# Altium PCB PROC054D_MMWCAS_RF_EVM_ASCII.PcbDoc (part 3 of 13)
Units mil, origin at the board's own origin, x right, y up, seen from the top; angles counter-clockwise.
Board outline 6299.21 x 5370.07 mil, 8 copper layers (L1 TOP, L2 GND, L3 SIGNAL 1, L4 GND, L5 SIGNAL 2, L6 SIGNAL 3, L7 GND, L8 BOTTOM), stack 53.5 mil thick; 775 components, 552 nets, 2648 pads, 7845 vias.
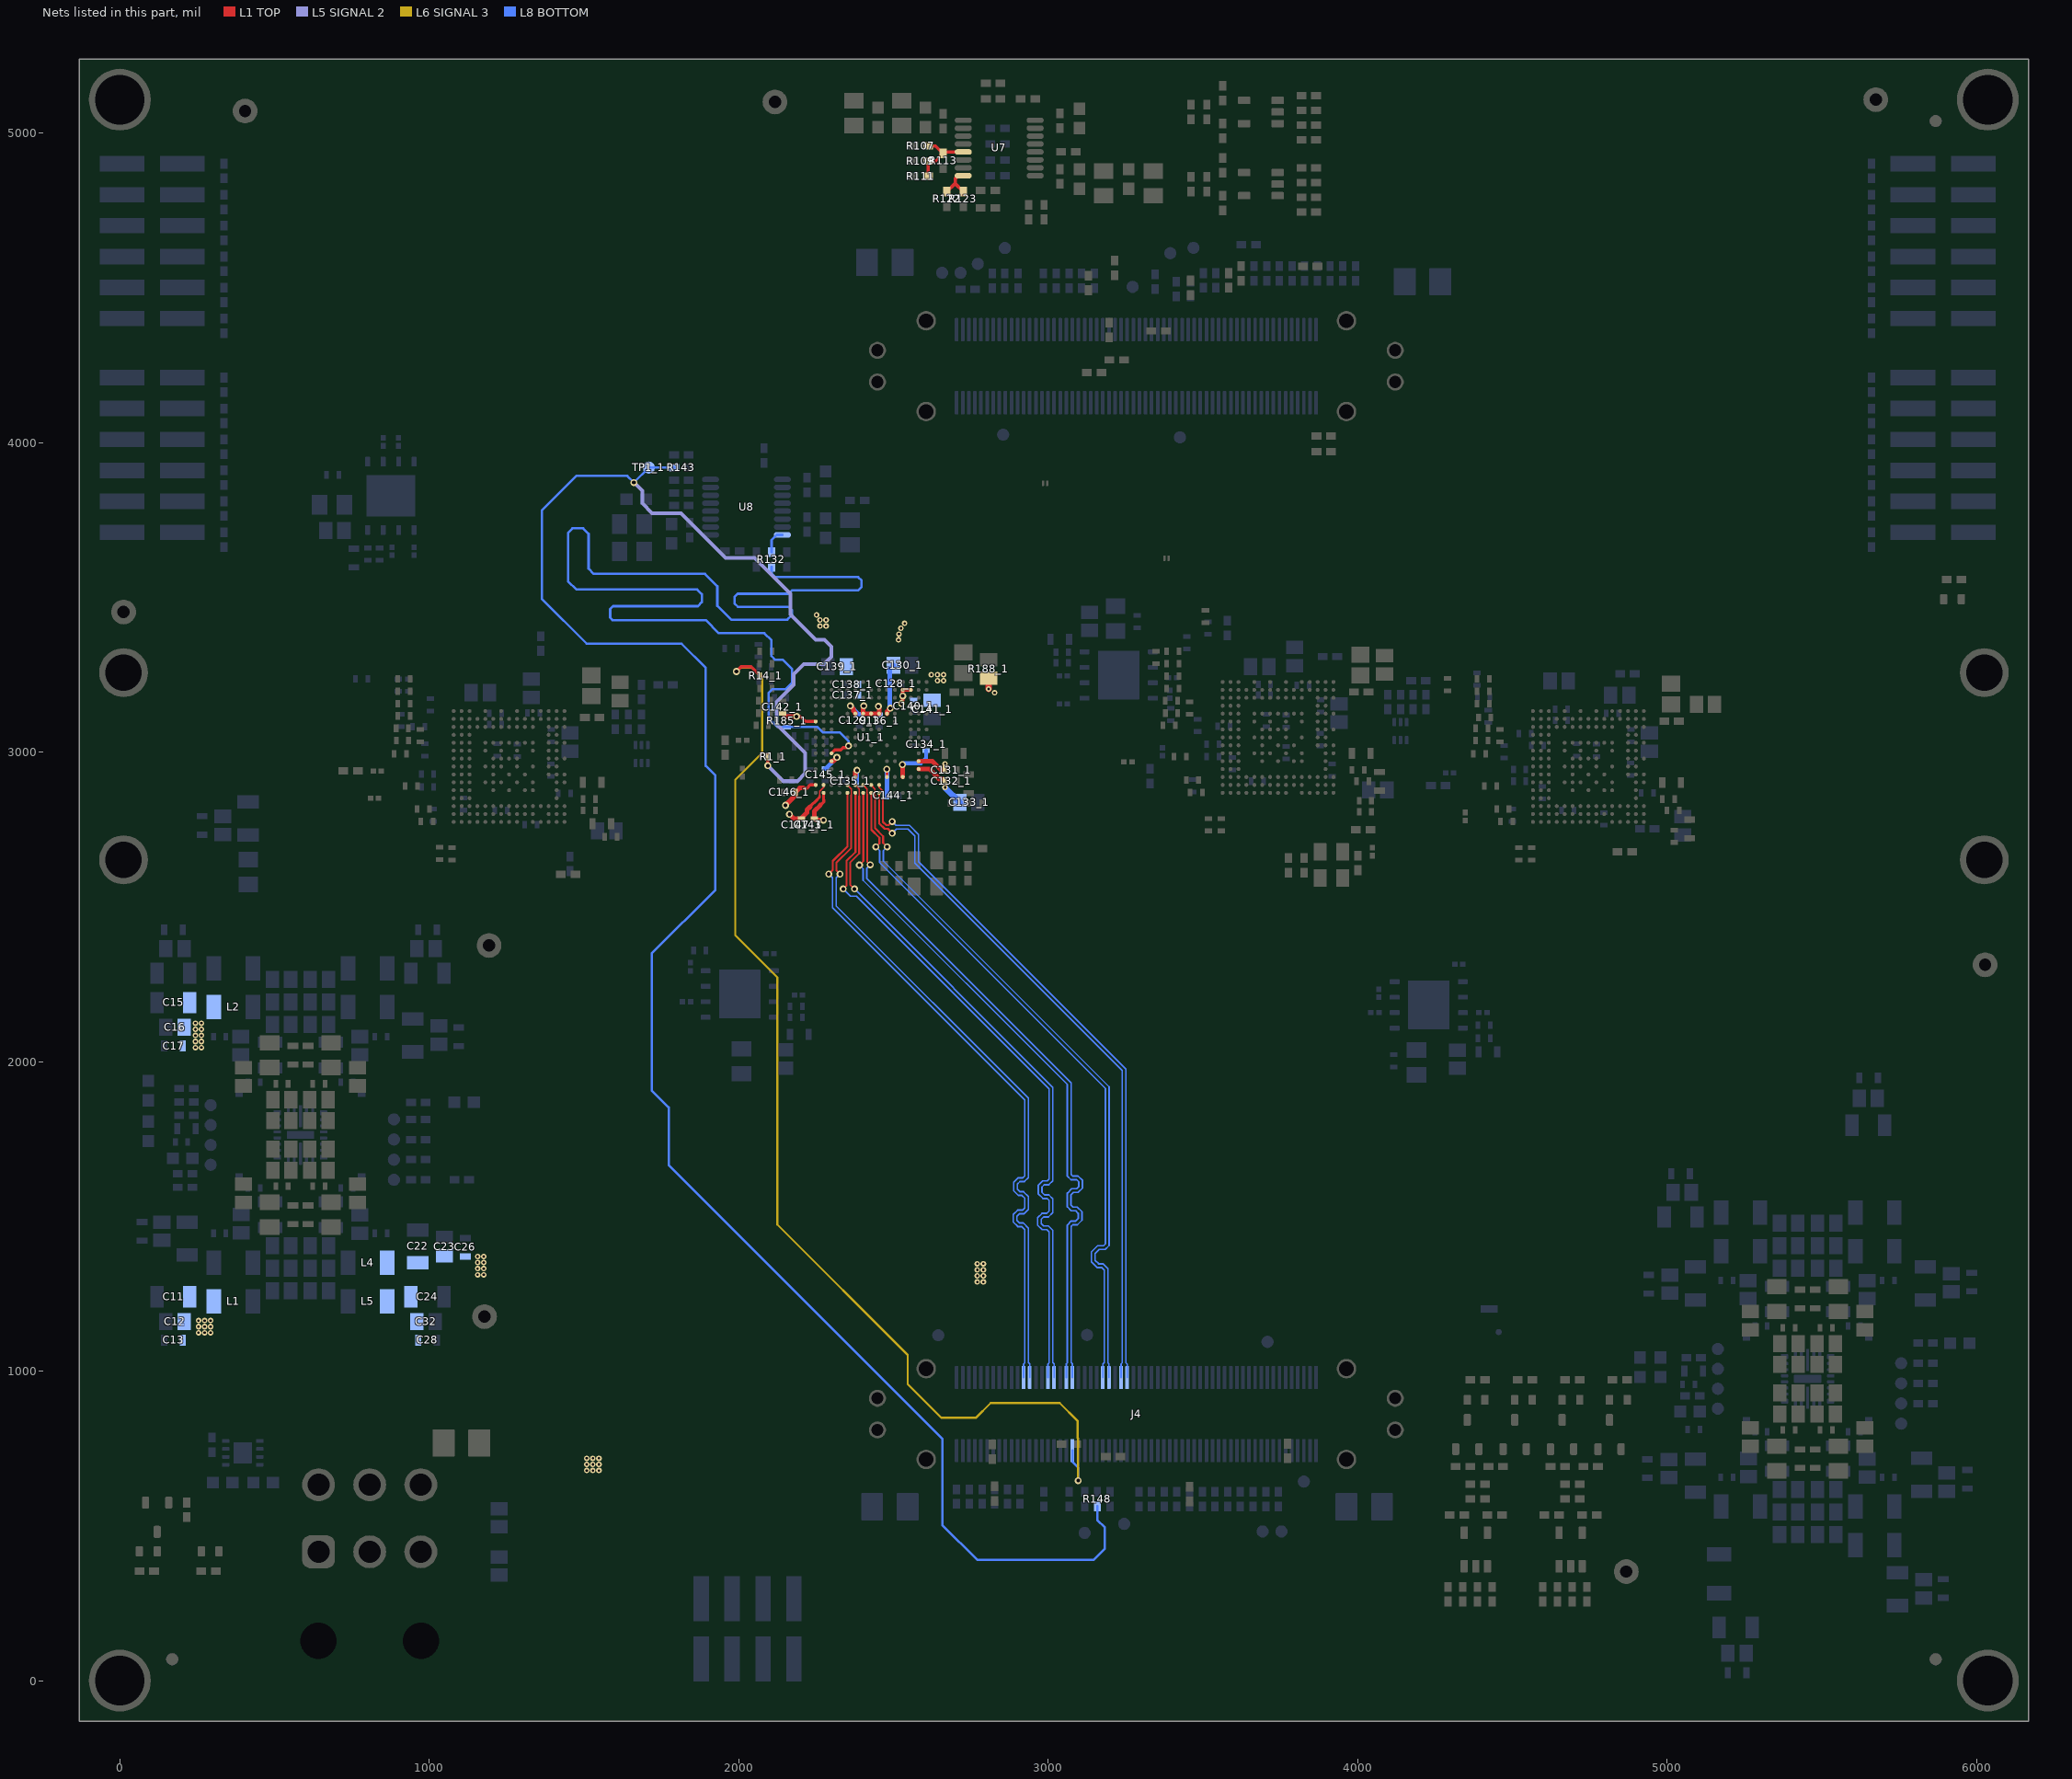
[diagram p9: the nets of this part, all layers, seen from the top]

## Components (designator, comment, footprint, x,y, rotation, side; value= is the part's Value field where it differs from the comment) (continued)
R138 "CRCW040210K0FKED" 0402 1979.32,3649.64 r0 bottom locked
R139 "CRCW040210K0FKED" 0402 1814.76,3878.29 r0 bottom locked
R140 "CH02016-100RGFT" 02016 2990.1,3868.26 r0 top locked
R141 "CRCW040210K0FKED" 0402 1814.76,3796.29 r180 bottom locked
R142 "ERJ-2GE0R00X" 0402 1814.76,3960.29 r0 bottom locked
R143 "ERJ-2GE0R00X" 0402 1814.76,3919.29 r0 bottom locked
R144 "CRCW040210K0FKED" 0402 1814.76,3837.29 r0 bottom locked
R145 "ERJ-2GE0R00X" 0402 3501,4523.72 r270 bottom locked
R146 "ERJ-2GE0R00X" 0402 3542,4523.72 r270 bottom locked
R147 "CRCW040210K0FKED" 0402 3210.28,724 r180 top locked
R148 "CRCW040210K0FKED" 0402 3159,586.8 r90 bottom locked
R149 "CRCW040210K0FKED" 0402 3118,586.8 r90 bottom locked
R150 "CRCW040210K0FKED" 0402 2986,586.8 r270 bottom locked
R151 "CRCW040210K0FKED" 0402 3773.1,741.83 r270 top locked
R152 "CRCW040210K0FKED" 0402 3744,586.8 r90 bottom locked
R153 "CRCW040210K0FKED" 0402 3703,586.8 r90 bottom locked
R154 "CRCW04020000Z0EDHP" 0402S 2095.9,3139.1 r180 bottom locked
R155 "CRCW040210K0FKED" 0402 3356.72,4360.87 r0 top locked
R156 "CRCW04020000Z0EDHP" 0402S 4540.6,3059.85 r180 bottom locked
R157 "CRCW040210K0FKED" 0402 3414,4496.05 r270 bottom locked
R158 "CRCW04020000Z0EDHP" 0402S 3396.01,3122 r270 bottom locked
R159 "CRCW040210K0FKED" 0402 3460,4499.97 r270 top locked
R160 "CRCW04020000Z0EDHP" 0402S 909,3102 r90 bottom locked
R161 "CRCW040210K0FKED" 0402 2740.5,4495.09 r0 bottom locked
R162 "CRCW040210K0FKED" 0402 2819,4522.59 r270 bottom locked
R163 "CRCW040210K0FKED" 0402 2860,4522.59 r270 bottom locked
R164 "CRCW040210R0FKED" 0402 1686.31,3193.83 r270 bottom locked
R165 "ERJ-2GE0R00X" 0402 1600.31,3097.85 r270 bottom locked
R166 "CRCW04025K11FKED" 0402 3846.37,4570.25 r180 top locked
R167 "CRCW04025K11FKED" 0402 3647.62,4640.08 r0 bottom locked
R168 "CRCW04025K11FKED" 0402 3583,4523.63 r270 top locked
R169 "ERJ-2GE0R00X" 0402 3583,4523.63 r270 bottom locked
R170 "ERJ-2GE0R00X" 0402 3624,4546.63 r270 top locked
R171 "ERJ-2GE0R00X" 0402 3870,4546.63 r270 bottom locked
R172 "ERJ-2GE0R00X" 0402 4097.47,3162.21 r270 bottom locked
R173 "CRCW040210R0FKED" 0402 4220.47,3162.21 r270 bottom locked
R174_1 "CRCW040210K0FKED" 0402 3200,586.8 r270 bottom locked (schematic designator R174)
R174_2 "CRCW040210K0FKED" 0402 3662,586.8 r270 bottom locked (schematic designator R174)
R174_3 "CRCW040210K0FKED" 0402 3346,4519.62 r90 bottom locked (schematic designator R174)
R174_4 "CRCW040210K0FKED" 0402 2903,4522.59 r90 bottom locked (schematic designator R174)
R175_1 "CRCW0402100KFKED" 0402 2827.21,594.52 r270 bottom locked (schematic designator R175)
R175_2 "CRCW0402100KFKED" 0402 3457,602.84 r270 top locked (schematic designator R175)
R175_3 "CRCW0402100KFKED" 0402 3747,4546.63 r90 bottom locked (schematic designator R175)
R175_4 "CRCW0402100KFKED" 0402 3130.51,4516.07 r90 top locked (schematic designator R175)
R176_1 "CRCW040210K0FKED" 0402 2827.21,604.52 r270 top locked (schematic designator R176)
R176_2 "CRCW040210K0FKED" 0402 3293,586.8 r270 bottom locked (schematic designator R176)
R176_3 "CRCW040210K0FKED" 0402 3829,4546.63 r90 bottom locked (schematic designator R176)
R176_4 "CRCW040210K0FKED" 0402 3215.4,4563.99 r90 top locked (schematic designator R176)
R177_1 "CRCW040210K0FKED" 0402S 2076.4,3086 r180 top locked (schematic designator R177)
R177_2 "CRCW040210K0FKED" 0402S 4394.4,2995 r180 top locked (schematic designator R177)
R177_3 "CRCW040210K0FKED" 0402S 3391.4,3086 r180 top locked (schematic designator R177)
R177_4 "CRCW040210K0FKED" 0402S 906.4,2995 r180 top locked (schematic designator R177)
R178_1 "CRCW0402100KFKED" 0402 3066.72,764 r0 top locked (schematic designator R178)
R178_2 "CRCW0402100KFKED" 0402 3498,586.8 r270 bottom locked (schematic designator R178)
R178_3 "CRCW0402100KFKED" 0402 3460,4496.05 r90 bottom locked (schematic designator R178)
R178_4 "CRCW0402100KFKED" 0402 3108,4522.59 r90 bottom locked (schematic designator R178)
R179_1 "CRCW0402100KFKED" 0402 3067,586.8 r270 bottom locked (schematic designator R179)
R179_2 "CRCW0402100KFKED" 0402 3457,586.8 r270 bottom locked (schematic designator R179)
R179_3 "CRCW0402100KFKED" 0402 3578.91,3400.96 r90 bottom locked (schematic designator R179)
R179_4 "CRCW0402100KFKED" 0402 3149,4522.59 r90 bottom locked (schematic designator R179)
R180_1 "CRCW04024K70JNED" 0402S 2088,3286 r180 top locked (schematic designator R180)
R180_2 "CRCW04024K70JNED" 0402S 4405.91,3197 r180 top locked (schematic designator R180)
R180_3 "CRCW04024K70JNED" 0402S 3402.91,3286 r180 top locked (schematic designator R180)
R180_4 "CRCW04024K70JNED" 0402S 917.91,3197 r180 top locked (schematic designator R180)
R181_1 "CRCW04024K70JNED" 0402S 2063.84,3328.23 r270 bottom locked (schematic designator R181)
R181_2 "CRCW04024K70JNED" 0402S 4386.19,3236.41 r270 bottom locked (schematic designator R181)
R181_3 "CRCW04024K70JNED" 0402S 3349.08,3306 r270 top locked (schematic designator R181)
R181_4 "CRCW04024K70JNED" 0402S 899.06,3215.9 r270 bottom locked (schematic designator R181)
R182_1 "CRCW0402100KFKED" 0402 2909.21,594.52 r90 bottom locked (schematic designator R182)
R182_2 "CRCW0402100KFKED" 0402 3416,586.8 r90 bottom locked (schematic designator R182)
R182_3 "CRCW0402100KFKED" 0402 3665,4546.63 r270 bottom locked (schematic designator R182)
R182_4 "CRCW0402100KFKED" 0402 3148.67,4226.15 r180 top locked (schematic designator R182)
R183_1 "CRCW0402100KFKED" 0402 2868.21,594.52 r90 bottom locked (schematic designator R183)
R183_2 "CRCW0402100KFKED" 0402 3375,586.8 r90 bottom locked (schematic designator R183)
R183_3 "CRCW0402100KFKED" 0402 3706,4546.63 r270 bottom locked (schematic designator R183)
R183_4 "CRCW0402100KFKED" 0402 3221.67,4267.15 r180 top locked (schematic designator R183)
R184_1 "CRCW040210K0FKED" 0402 2820,739.62 r270 top locked (schematic designator R184)
R184_2 "CRCW040210K0FKED" 0402 3334,586.8 r90 bottom locked (schematic designator R184)
R184_3 "CRCW040210K0FKED" 0402 3788,4546.63 r270 bottom locked (schematic designator R184)
R184_4 "CRCW040210K0FKED" 0402 3196.34,4363.65 r90 top locked (schematic designator R184)
R185_1 "CRCW040210K0FKED" 0402S 2155.9,3101 r270 bottom locked (schematic designator R185)
R185_2 "CRCW040210K0FKED" 0402S 4473.9,3001.05 r270 bottom locked (schematic designator R185)
R185_3 "CRCW040210K0FKED" 0402S 3482.96,3086.54 r270 bottom locked (schematic designator R185)
R185_4 "CRCW040210K0FKED" 0402S 985.9,3007 r270 bottom locked (schematic designator R185)
R186 "ERJ-2GE0R00X" 0402S 2765.21,2834.89 r0 top locked
R187 "ERJ-2GE0R00X" 0402S 4024.71,2807.84 r180 top locked
R188_1 "PMR10EZPJ000" 0805L 2807.55,3268.2 r270 top locked (schematic designator R188)
R188_2 "PMR10EZPJ000" 0805L 5124.3,3154.07 r0 top locked (schematic designator R188)
R188_3 "PMR10EZPJ000" 0805L 4087.03,3282.1 r90 top locked (schematic designator R188)
R188_4 "PMR10EZPJ000" 0805L 1616.77,3195.6 r270 top locked (schematic designator R188)
R189 "MCS0402MD1000BE100" 0402 4339.59,279.21 r90 top locked
R190 "MCS0402MD1000BE100" 0402 4693.44,279.21 r90 top locked
R191 "MCS0402MD1000BE100" 0402 4386.99,279.21 r90 top locked
R192 "ERJ-2GEJ511X" 0402 286.98,353.83 r0 top locked
R193 "ERJ-2GEJ361X" 0402 5927.52,3557.54 r180 top locked
R194 "ERJ-2GEJ511X" 0402 86.98,353.83 r0 top locked
R195 "ERJ-2GEJ511X" 0402 216.13,551.51 r270 top locked
R196 "ERJ-2GEJ511X" 0402 4387.85,971.8 r180 top locked
R197 "ERJ-2GEJ511X" 0402 4694.3,971.8 r180 top locked
R198 "ERJ-2GEJ511X" 0402 4340.61,691.84 r0 top locked
R199 "ERJ-2GEJ511X" 0402 4647.06,691.84 r0 top locked
R200 "ERJ-2GEJ511X" 0402 4847.52,971.8 r180 top locked
R201 "ERJ-2GEJ511X" 0402 4541.07,971.8 r180 top locked
R202 "ERJ-2GEJ511X" 0402 4753.04,691.84 r180 top locked
R203 "ERJ-2GEJ511X" 0402 4446.59,691.84 r180 top locked
R204 "ERJ-2GE0R00X" 0402 3890.62,4020.74 r0 top locked
R205 "ERJ-2GE0R00X" 0402 3890.62,3971.03 r0 top locked
R206 "CRCW040210K0FKED" 0402 4387.85,587.15 r180 top locked
R207 "CRCW040210K0FKED" 0402 4694.3,587.15 r180 top locked
R208 "ERJ-2GE0R00X" 0402 4387.85,634.4 r180 top locked
R209 "ERJ-2GE0R00X" 0402 4694.3,634.4 r180 top locked
R210 "ERJ-2GE0R00X" 0402 3461.75,5068.29 r270 top locked
R211 "ERJ-2GE0R00X" 0402 3461.75,4835.24 r270 top locked
R212 "MCS0402MD1000BE100" 0402 4646.04,279.21 r90 top locked
R213 "ERJ-2GE0R00X" 0402S 2198.59,3052.15 r180 bottom locked
R214 "ERJ-2GE0R00X" 0402S 2198.59,3016.15 r180 bottom locked
TP1_1 "TP_SM_1MM" TP_SM_1MM 1709.4,3919.29 r270 bottom locked (schematic designator TP1)
TP1_2 "TP_SM_1MM" TP_SM_1MM 3754,481.94 r90 bottom locked (schematic designator TP1)
TP1_3 "TP_SM_1MM" TP_SM_1MM 3394.61,4611.81 r270 bottom locked (schematic designator TP1)
TP1_4 "TP_SM_1MM" TP_SM_1MM 2772.45,4577.44 r90 bottom locked (schematic designator TP1)
TP2_1 "TP_SM_1MM" TP_SM_1MM 885.78,1813.25 r90 bottom locked (schematic designator TP2)
TP2_2 "TP_SM_1MM" TP_SM_1MM 3693,481.94 r90 bottom locked (schematic designator TP2)
TP2_3 "TP_SM_1MM" TP_SM_1MM 3469.4,4629.14 r90 bottom locked (schematic designator TP2)
TP2_4 "TP_SM_1MM" TP_SM_1MM 2860,4628.72 r90 bottom locked (schematic designator TP2)
TP3_1 "TP_SM_1MM" TP_SM_1MM 3245.73,506.43 r90 bottom locked (schematic designator TP3)
TP3_2 "TP_SM_1MM" TP_SM_1MM 3826.26,643.17 r90 bottom locked (schematic designator TP3)
TP3_3 "TP_SM_1MM" TP_SM_1MM 3272.86,4503.14 r90 bottom locked (schematic designator TP3)
TP3_4 "TP_SM_1MM" TP_SM_1MM 2716.88,4548.68 r90 bottom locked (schematic designator TP3)
TP4 "TP_SM_1MM" TP_SM_1MM 293.43,1859.32 r0 bottom locked
TP5 "TP_SM_1MM" TP_SM_1MM 3118,477.19 r270 bottom locked
TP6 "TP_SM_1MM" TP_SM_1MM 885.78,1618.2 r180 bottom locked
TP7 "TP_SM_1MM" TP_SM_1MM 293.43,1666.6 r0 bottom locked
TP8 "TP_SM_1MM" TP_SM_1MM 2854.35,4025.61 r90 bottom locked
TP9 "TP_SM_1MM" TP_SM_1MM 885.78,1748.23 r180 bottom locked
TP10 "TP_SM_1MM" TP_SM_1MM 885.78,1683.21 r180 bottom locked
TP11 "TP_SM_1MM" TP_SM_1MM 293.43,1730.84 r0 bottom locked
TP12 "TP_SM_1MM" TP_SM_1MM 3125.61,1116.7 r90 bottom locked
TP13 "TP_SM_1MM" TP_SM_1MM 3425.79,4016.95 r90 bottom locked
TP14 "TP_SM_1MM" TP_SM_1MM 293.43,1795.08 r90 bottom locked
TP15 "TP_SM_1MM" TP_SM_1MM 3709,1094.73 r90 bottom locked
TP16 "5001" Keystone5001 12.11,3452.63 r90 bottom
TP17 "5001" Keystone5001 2117.05,5100.49 r90 bottom
TP18 "5001" Keystone5001 6027.77,2312.91 r90 bottom
TP19 "5001" Keystone5001 1193.1,2375.16 r180 bottom locked
TP20 "5001" Keystone5001 4868.23,352.27 r90 bottom locked
TP21 "TP_SM_1MM" TP_SM_1MM 5164.16,1071.47 r0 bottom locked
TP22 "TP_SM_1MM" TP_SM_1MM 5756.51,1025.4 r180 bottom locked
TP23 "TP_SM_1MM" TP_SM_1MM 5756.51,830.34 r0 bottom locked
TP24 "TP_SM_1MM" TP_SM_1MM 5164.16,878.74 r0 bottom locked
TP25 "5001" Keystone5001 1178.5,1176.1 r90 bottom locked
TP26 "TP_SM_1MM" TP_SM_1MM 5756.51,960.38 r0 bottom locked
TP27 "TP_SM_1MM" TP_SM_1MM 5756.51,895.36 r90 bottom locked
TP28 "TP_SM_1MM" TP_SM_1MM 5164.16,942.99 r180 bottom locked
TP29 "5001" Keystone5001 404.68,5071.3 r90 bottom locked
TP30 "5001" Keystone5001 5674.54,5108 r90 bottom locked
TP31 "TP_SM_1MM" TP_SM_1MM 5164.16,1007.23 r0 bottom locked
TP32 "TP_SM_1MM" TP_SM_1MM 2645.03,1115.91 r90 bottom locked
TP33 "TP_SM_1MM" TP_SM_1MM 2657.29,4548.68 r270 bottom locked
U1_1 "XA2243PBGABL" ABL0161A 2427.89,3047.5 r270 top locked (schematic designator U1)
U1_2 "XA2243PBGABL" ABL0161A 4745.89,2953.5 r270 top locked (schematic designator U1)
U1_3 "XA2243PBGABL" ABL0161A 3742.89,3047.5 r270 top locked (schematic designator U1)
U1_4 "XA2243PBGABL" ABL0161A 1257.89,2953.5 r270 top locked (schematic designator U1)
U2_1 "MX25V1635FZNQ" WSON-8L_6x5MM_EP 2003.3,2218.45 r0 bottom locked (schematic designator U2)
U2_2 "MX25V1635FZNQ" WSON-8L_6x5MM_EP 4229.96,2183.17 r0 bottom locked (schematic designator U2)
U2_3 "MX25V1635FZNQ" WSON-8L_6x5MM_EP 3227.96,3249 r180 bottom locked (schematic designator U2)
U2_4 "MX25V1635FZNQ" WSON-8L_6x5MM_EP 875.89,3828.1 r270 bottom locked (schematic designator U2)
U3 "LP87524PRNFTQ1" RNF0026C 583.54,1762.96 r180 bottom locked
U4 "LP87524PRNFTQ1" RNF0026C 5454.26,975.11 r180 bottom locked
U5 "TPS73733QDRBRQ1" DRB0008A 397.12,735.77 r0 bottom locked
U6 "SN74LVC1G08QDBVRQ1" DBV0005A_N 4381.99,423.71 r90 top locked
U7 "LMK00804BPW" PW0016A_N 2841.71,4951.93 r0 top locked
U8 "LMK00804BPW" PW0016A_N 2025.04,3791.39 r0 bottom locked
U9 "TMP112AIDRLR" DRL0006A 1686.3,2993.69 r90 bottom locked
U10 "TMP112AIDRLR" DRL0006A 4138.46,3067.69 r90 bottom locked
U11 "SN74LVC1G08QDBVRQ1" DBV0005A_N 4688.44,423.71 r90 top locked
U12 "SN74LVC1G08QDBVRQ1" DBV0005A_N 3687.37,4835.22 r180 top locked
U13 "SN74LVC1G08QDBVRQ1" DBV0005A_N 3687.37,5068.27 r180 top locked
Y1 "CX3225SA40000D0PTWCC" Kyocera_CX3225SA 2603.53,2608 r0 top locked
Y2 "CX3225SA40000D0PTWCC" Kyocera_CX3225SA 3915.34,2635.31 r0 top locked
ZZ1 "These assemblies AWRe ESD sensitive, ESD precautions shall be observed." AssemblyNote 450,6075 r0 top
ZZ2 "These assemblies must be clean and free from flux and all contaminants. Use of no clean flux is not acceptable." AssemblyNote 450,5975 r0 top
ZZ3 "These assemblies must comply with workmanship standAWRds IPC-A-610 Class 2, unless otherwise specified." AssemblyNote 450,5875 r0 top
ZZ4 "R136/R140 require special attention due to no solder-mask RF construction. For any questions, please contact TI design team." AssemblyNote 450,5775 r0 top

## Footprints (in the part's own frame and the unit in brackets; to place one, negate y for a bottom-side part, rotate by r counter-clockwise, add the part's x,y. Pads: shape width x height; smd on the part's side, far side on the other; paste and mask are expansions set on the pad)
19S101_40ML5 [mil] "Connector, RF 50 Ohm Impedance"
  rect 23.62x55.12 smd: 1(0,-110.24)
  round 20 smd: 2(-75,-79)
0201 [mm] "Data from Kemet datasheet CC101_COM dated 7/28/11"
  rect 0.46x0.42 smd: 1(-0.33,0) 2(0.33,0)
0402 [mm] "0402 from SM-752 data"
  rect 0.8x0.6 smd: 1(-0.6,0) 2(0.6,0)
  silkscreen extent -1.22,-0.52 1.22,0.52
0402S [mil] "Based on C0402S footprint from PADS legacy"
  rect 15x24 smd: 1(-20,0) 2(20,0)
0603 [mm] "0603 from SM-752 data"
  rect 1x0.95 smd: 1(-0.8,0) 2(0.8,0)
  silkscreen extent -1.52,-0.69 1.52,0.69
0603S [mil]
  rect 20x35 smd: 1(-30,0) 2(30,0)
0805 [mm] "0805 from SM-752 data"
  rect 1.3x1.5 smd: 1(-0.85,0) 2(0.85,0)
  silkscreen extent -1.72,-0.97 1.72,0.97
0805_HV [mil] "0805 with 30mil clearance between pads"
  rect 50x63 smd: 1(-40,0) 2(40,0)
  silkscreen extent -74,-40 74,40
0805L [mm] "0805 from SM-752 data"
  rect 1.1x1.4 smd: 1(-0.75,0) 2(0.75,0)
1206_180L [mm] "1206_180"
  rect 1.1x1.75 smd: 1(-1.35,0) 2(1.35,0)
  silkscreen extent -0.4,-0.77 0.4,0.77
02016 [mm] "SMD, 2-Leads, Body 0.48x0.39mm"
  rrect53% 0.19x0.44 smd: 1(-0.17,0) 2(0.17,0)
3528-21 [mm] "Medium Density IPC, based on Kemet datasheet 2016-10-20"
  rrect6% 1.8x2.23 smd: 1(-1.46,0) 2(1.46,0)
  silkscreen extent -2.29,-1.5 0.76,1.5
ABL0161A [mm] "BGA, 161-Balls, Body 10.4x10.4mm, Pitch 0.65mm"
  round 0.32 smd mask+0: A1(-4.55,4.55) A2(-3.9,4.55) A3(-3.25,4.55) A5(-1.95,4.55) A7(-0.65,4.55) A9(0.65,4.55) A10(1.3,4.55) A13(3.25,4.55) A14(3.9,4.55) A15(4.55,4.55) B1(-4.55,3.9) B2(-3.9,3.9) B3(-3.25,3.9) B4(-2.6,3.9) B5(-1.95,3.9) B6(-1.3,3.9) B7(-0.65,3.9) B8(0,3.9) B9(0.65,3.9) B10(1.3,3.9) B11(1.95,3.9) B12(2.6,3.9) B13(3.25,3.9) B14(3.9,3.9) B15(4.55,3.9) C1(-4.55,3.25) C2(-3.9,3.25) C3(-3.25,3.25) C4(-2.6,3.25) C5(-1.95,3.25) C6(-1.3,3.25) C7(-0.65,3.25) C8(0,3.25) C9(0.65,3.25) C13(3.25,3.25) C14(3.9,3.25) C15(4.55,3.25) D1(-4.55,2.6) D2(-3.9,2.6) D13(3.25,2.6) D15(4.55,2.6) E1(-4.55,1.95) E2(-3.9,1.95) E3(-3.25,1.95) E5(-1.95,1.95) E6(-1.3,1.95) E8(0,1.95) E10(1.3,1.95) E11(1.95,1.95) E13(3.25,1.95) E14(3.9,1.95) E15(4.55,1.95) F2(-3.9,1.3) F3(-3.25,1.3) F5(-1.95,1.3) F9(0.65,1.3) F11(1.95,1.3) F13(3.25,1.3) F14(3.9,1.3) G1(-4.55,0.65) G2(-3.9,0.65) G3(-3.25,0.65) G5(-1.95,0.65) G6(-1.3,0.65) G7(-0.65,0.65) G8(0,0.65) G10(1.3,0.65) G13(3.25,0.65) G14(3.9,0.65) G15(4.55,0.65) H2(-3.9,0) H3(-3.25,0) H5(-1.95,0) H7(-0.65,0) H9(0.65,0) H11(1.95,0) H13(3.25,0) H14(3.9,0) H15(4.55,0) J1(-4.55,-0.65) J2(-3.9,-0.65) J3(-3.25,-0.65) J5(-1.95,-0.65) J6(-1.3,-0.65) J7(-0.65,-0.65) J8(0,-0.65) J10(1.3,-0.65) J13(3.25,-0.65) J14(3.9,-0.65) J15(4.55,-0.65) K2(-3.9,-1.3) K3(-3.25,-1.3) K5(-1.95,-1.3) K7(-0.65,-1.3) K8(0,-1.3) K9(0.65,-1.3) K10(1.3,-1.3) K11(1.95,-1.3) K13(3.25,-1.3) K14(3.9,-1.3) K15(4.55,-1.3) L1(-4.55,-1.95) L2(-3.9,-1.95) L3(-3.25,-1.95) L5(-1.95,-1.95) L6(-1.3,-1.95) L8(0,-1.95) L10(1.3,-1.95) L13(3.25,-1.95) L14(3.9,-1.95) L15(4.55,-1.95) M2(-3.9,-2.6) M3(-3.25,-2.6) M13(3.25,-2.6) M14(3.9,-2.6) M15(4.55,-2.6) N1(-4.55,-3.25) N2(-3.9,-3.25) N3(-3.25,-3.25) N4(-2.6,-3.25) N5(-1.95,-3.25) N6(-1.3,-3.25) N7(-0.65,-3.25) N8(0,-3.25) N9(0.65,-3.25) N10(1.3,-3.25) N11(1.95,-3.25) N12(2.6,-3.25) N13(3.25,-3.25) N14(3.9,-3.25) N15(4.55,-3.25) P1(-4.55,-3.9) P2(-3.9,-3.9) P3(-3.25,-3.9) P4(-2.6,-3.9) P5(-1.95,-3.9) P6(-1.3,-3.9) P7(-0.65,-3.9) P8(0,-3.9) P9(0.65,-3.9) P10(1.3,-3.9) P11(1.95,-3.9) P12(2.6,-3.9) P13(3.25,-3.9) P14(3.9,-3.9) P15(4.55,-3.9) R1(-4.55,-4.55) R2(-3.9,-4.55) R3(-3.25,-4.55) R4(-2.6,-4.55) R5(-1.95,-4.55) R6(-1.3,-4.55) R7(-0.65,-4.55) R8(0,-4.55) R9(0.65,-4.55) R10(1.3,-4.55) R11(1.95,-4.55) R12(2.6,-4.55) R13(3.25,-4.55) R14(3.9,-4.55) R15(4.55,-4.55)
  silkscreen extent -5.3,-5.3 5.3,5.3
AssemblyNote [mil] "Assembly Note"
CE_Mark_5mm [mil] "Minimum text height for CE Mark"
DBV0005A_N [mm] "SOT23, 5-Leads, Body 2.9x1.6mm, Pitch 0.95mm, Lead Span 2.8mm, IPC Medium Density"
  rrect17% 1x0.6 smd: 1(-1.375,0.95) 2(-1.375,0) 3(-1.375,-0.95) 4(1.375,-0.95) 5(1.375,0.95)
  silkscreen extent -0.25,-1.55 0.25,1.55
DFE252012P [mm] "TOKO, Pad sizes increased as per request"
  rect 0.9x2 smd: 1(-1.05,0) 2(1.05,0)
  silkscreen extent -0.3,-1.2 0.3,1.2
DRB0008A [mm] "SON, 8-Leads, Body 3x3mm, Pitch 0.65mm, Thermal Pad 1.75x1.5mm, TI Recommended"
  rrect33% 0.6x0.3 smd: 1(-1.4,0.975) 2(-1.4,0.325) 3(-1.4,-0.325) 4(-1.4,-0.975) 5(1.4,-0.975) 6(1.4,-0.325) 7(1.4,0.325) 8(1.4,0.975)
  rrect7% 1.5x1.75 smd paste-0.75: 9(0,0)
  silkscreen extent -1.73,-1.73 1.73,1.73
DRL0006A [mm] "SOTFL, 6-Flat Leads, Body 1.2x1.6x0.6mm, Pitch 0.5mm, TI recommended"
  rrect33% 0.67x0.3 smd: 1(-0.74,0.5) 2(-0.74,0) 3(-0.74,-0.5) 4(0.74,-0.5) 5(0.74,0) 6(0.74,0.5)
  silkscreen extent -0.9,-0.95 0.5,0.95
ESD_Overlay_Large [mil]
  silkscreen extent -254,-219 250,219
FCC_disclaimer [mil]
Fiducial10-20 [mm]
  round 1 smd mask+0: 1(0,0)
  L1 TOP keep-out circle w1.178: c0,0 r0.5
Hirose_FX23-120P-0_5SV15 [mm] "Header(shrouded), 0.5mm, 60x2, SMT"
  rrect33% 1.9x0.3 smd: 1(-3,14.75) 2(-3,14.25) 3(-3,13.75) 4(-3,13.25) 5(-3,12.75) 6(-3,12.25) 7(-3,11.75) 8(-3,11.25) 9(-3,10.75) 10(-3,10.25) 11(-3,9.75) 12(-3,9.25) 13(-3,8.75) 14(-3,8.25) 15(-3,7.75) 16(-3,7.25) 17(-3,6.75) 18(-3,6.25) 19(-3,5.75) 20(-3,5.25) 21(-3,4.75) 22(-3,4.25) 23(-3,3.75) 24(-3,3.25) 25(-3,2.75) 26(-3,2.25) 27(-3,1.75) 28(-3,1.25) 29(-3,0.75) 30(-3,0.25) 31(-3,-0.25) 32(-3,-0.75) 33(-3,-1.25) 34(-3,-1.75) 35(-3,-2.25) 36(-3,-2.75) 37(-3,-3.25) 38(-3,-3.75) 39(-3,-4.25) 40(-3,-4.75) 41(-3,-5.25) 42(-3,-5.75) 43(-3,-6.25) 44(-3,-6.75) 45(-3,-7.25) 46(-3,-7.75) 47(-3,-8.25) 48(-3,-8.75) 49(-3,-9.25) 50(-3,-9.75) 51(-3,-10.25) 52(-3,-10.75) 53(-3,-11.25) 54(-3,-11.75) 55(-3,-12.25) 56(-3,-12.75) 57(-3,-13.25) 58(-3,-13.75) 59(-3,-14.25) 60(-3,-14.75) 61(3,14.75) 62(3,14.25) 63(3,13.75) 64(3,13.25) 65(3,12.75) 66(3,12.25) 67(3,11.75) 68(3,11.25) 69(3,10.75) 70(3,10.25) 71(3,9.75) 72(3,9.25) 73(3,8.75) 74(3,8.25) 75(3,7.75) 76(3,7.25) 77(3,6.75) 78(3,6.25) 79(3,5.75) 80(3,5.25) 81(3,4.75) 82(3,4.25) 83(3,3.75) 84(3,3.25) 85(3,2.75) 86(3,2.25) 87(3,1.75) 88(3,1.25) 89(3,0.75) 90(3,0.25) 91(3,-0.25) 92(3,-0.75) 93(3,-1.25) 94(3,-1.75) 95(3,-2.25) 96(3,-2.75) 97(3,-3.25) 98(3,-3.75) 99(3,-4.25) 100(3,-4.75) 101(3,-5.25) 102(3,-5.75) 103(3,-6.25) 104(3,-6.75) 105(3,-7.25) 106(3,-7.75) 107(3,-8.25) 108(3,-8.75) 109(3,-9.25) 110(3,-9.75) 111(3,-10.25) 112(3,-10.75) 113(3,-11.25) 114(3,-11.75) 115(3,-12.25) 116(3,-12.75) 117(3,-13.25) 118(3,-13.75) 119(3,-14.25) 120(3,-14.75)